# KiCad board MasterController.kicad_pcb (continued)
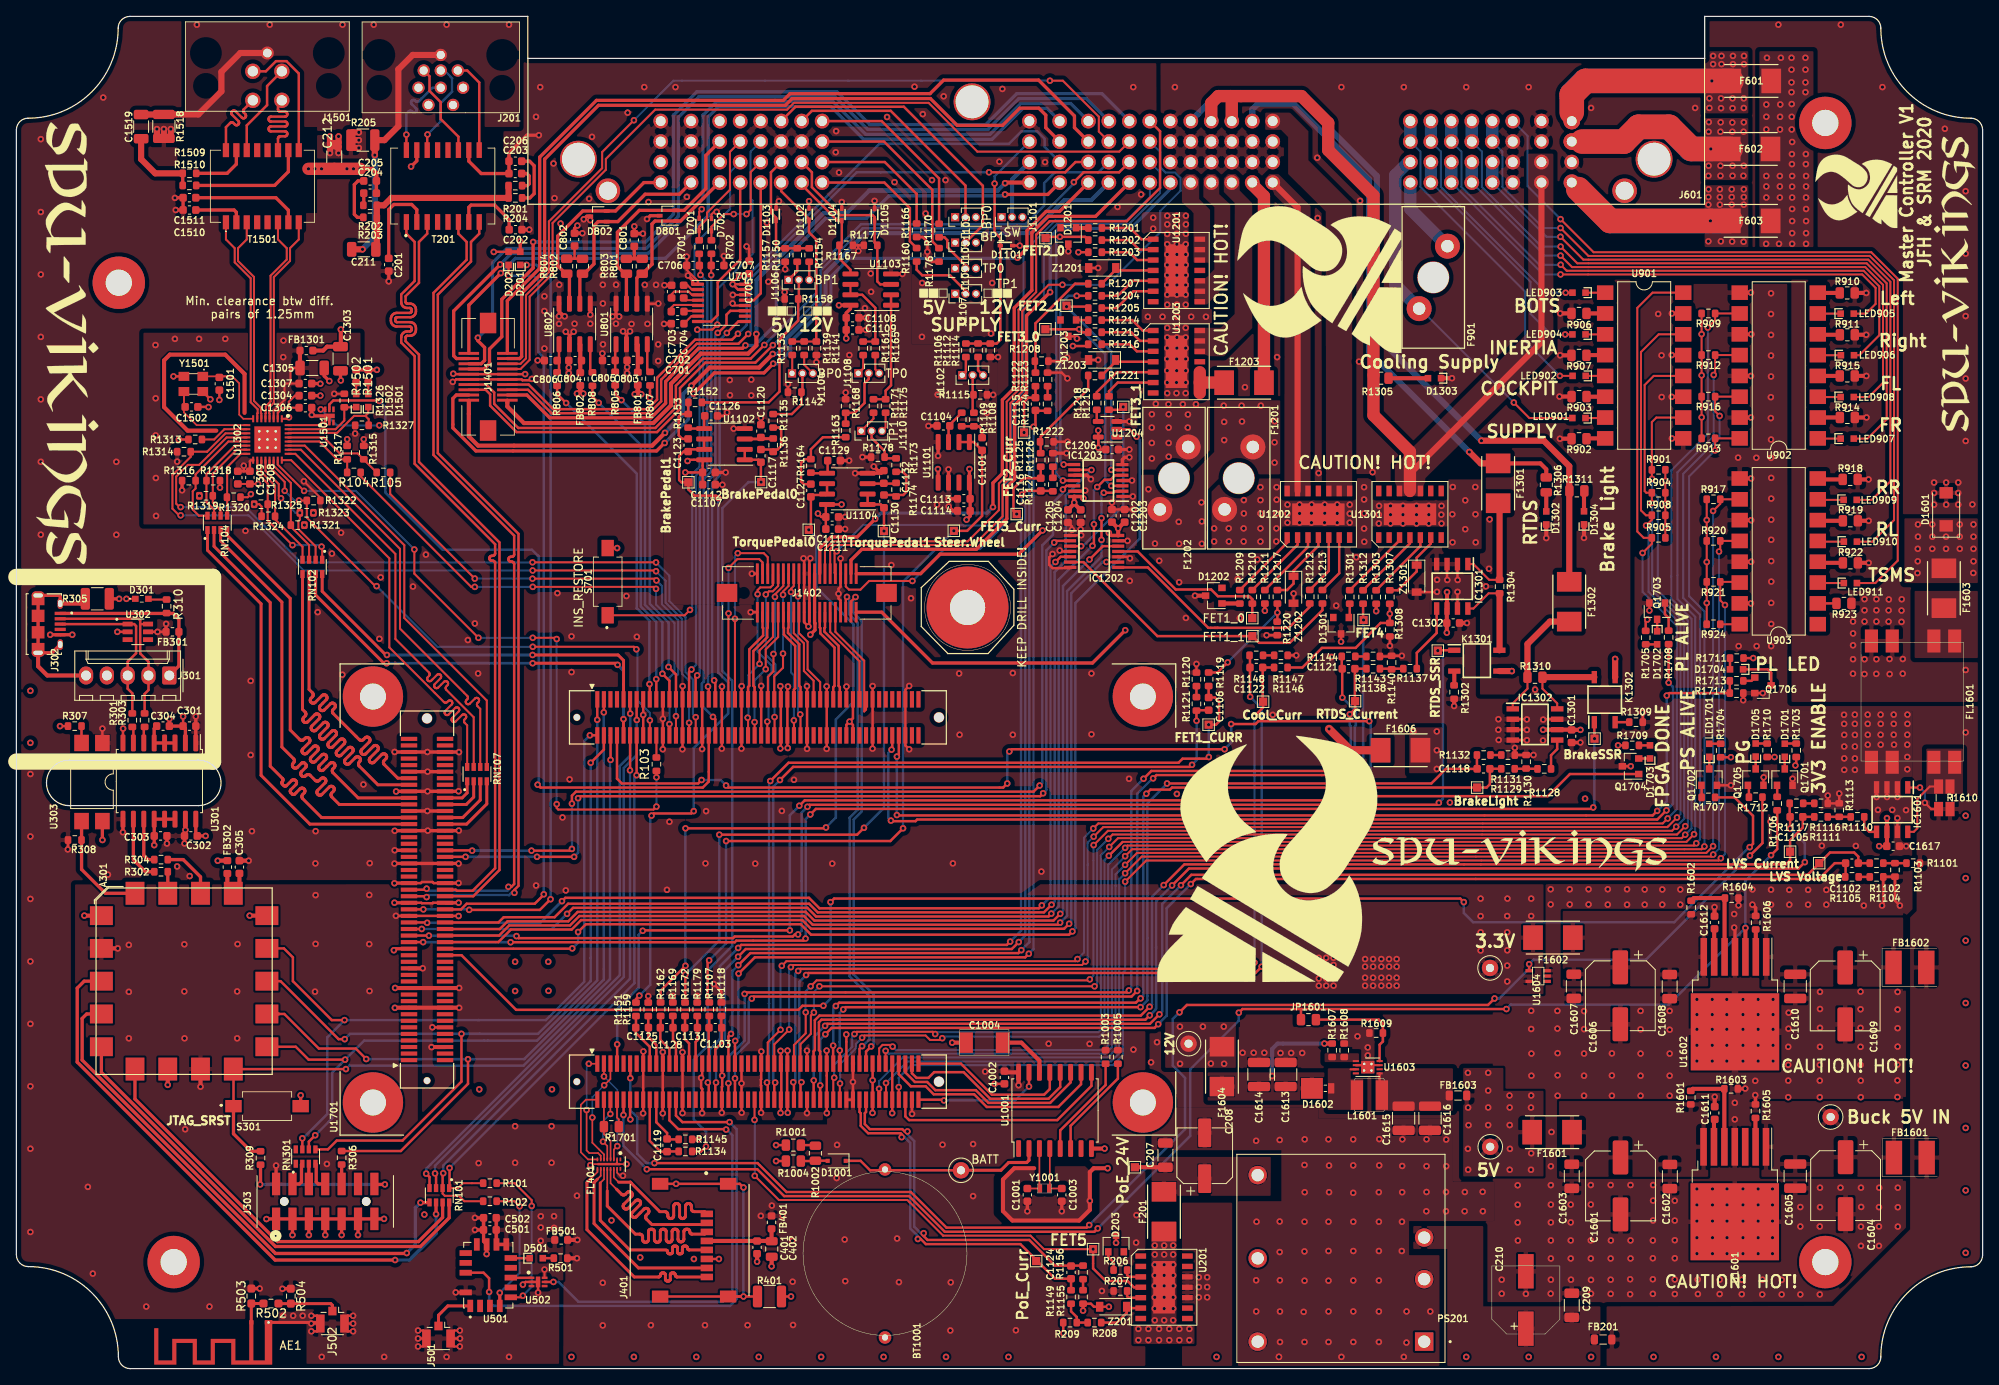
[diagram p0: board, top side]
## Routing (per net, layer and track width the routed paths; a pad name or vN(x,y) marks a point on that pad's centre or on a via; arc(x,y) is an arc through that point) (continued)
/PowerSupply/Boost_SW: length 0.7
  Top w0.25: U1603.3 162.85,36.53
/PowerSupply/PG_MODULE: length 188.6
  Top w0.3: v1(180.43,45.17) 179.64,44.38 142.88,44.38 v1(141.97,43.47) ; v1(74.94,35.44) 74.94,37.19 U1701.JX2.11 ; v1(130.95,17.52) 130.63,17.2 113.53,17.2 109.17,21.55 94,21.55 90.48,25.07 v1(77.88,25.07) ; v1(211.6,62.6) 213.12,64.12 R1712.2 ; U1604.4 v1(184.65,49.35)
  Bottom w0.3: v1(211.6,62.6) 198.9,49.9 185.2,49.9 v1(184.65,49.35) 184.65,48.8 181.01,45.17 v1(180.43,45.17) ; v1(77.88,25.07) 76.92,25.07 75.78,26.22 75.78,30.69 74.99,31.47 74.94,31.47 v1(74.94,35.44) ; v1(141.97,43.47) 141.15,42.65 141.15,36.97 142.65,35.47 142.65,29.22 v1(130.95,17.52)
/RTDS_V: length 8.3
  Top w0.3: R1137.2 170.94,87.33 173.36,89.76 IC1301.5
/SC_monitoring/~{SC_Mon_Right}: length 200.3
  Top w0.25: 112.79,40.1 v1(113.01,40.32) 112.79,40.1 ; 112.79,40.1 111.53,40.1 110.98,40.65 103.5,40.65 v1(103.23,40.37) ; v1(100.53,34.79) 100.51,34.77 U1701.JX2.76 100.5,32.81 ; v1(207.18,121.25) 207.35,121.43 R912.2 210.34,123.67 U902.12 ; v1(204.78,65.2) 203.85,64.28 135.04,64.28 v1(133.34,62.58) 135.03,64.27
  Bottom w0.25: v1(207.18,121.25) 207.18,113.8 202.75,109.38 202.75,93.9 204.93,91.72 204.93,65.35 v1(204.78,65.2) ; v1(103.23,40.37) 102.48,39.62 102.48,39.09 100.55,37.17 100.55,34.81 v1(100.53,34.79) ; v1(113.01,40.32) 113.19,40.5 132.18,40.5 132.81,41.14 132.81,62.05 v1(133.34,62.58)
/SC_monitoring/~{SC_Mon_RL}: length 168
  Top w0.25: v1(207.11,62.73) 206.86,62.47 137.36,62.47 v1(135.33,60.45) ; 210.35,101 210.34,101 R920.2 207.97,99.85 v1(207.82,99.7) ; U1701.JX2.90 106.15,32.85 v1(106.15,34.85)
  Bottom w0.25: v1(135.33,60.45) 134.61,59.73 134.61,59.08 134.62,59.07 134.62,38.49 133.6,37.48 108.78,37.48 v1(106.15,34.85) ; v1(207.11,62.73) 207.82,63.44 v1(207.82,99.7)
/SC_monitoring/~{SC_Mon_RR}: length 173.5
  Top w0.25: v1(135.33,61.47) 136.79,62.93 206.28,62.93 v1(207.1,63.75) ; 210.35,106.08 R917.2 207.97,105.53 v1(207.1,104.65) ; U1701.JX2.88 105.31,34.14 v1(105.3,34.15)
  Bottom w0.25: v1(207.1,104.65) v1(207.1,63.75) ; v1(105.3,34.15) 105.3,35.07 108.2,37.97 133.22,37.97 134.17,38.92 134.17,58.89 134.16,58.89 134.16,60.3 v1(135.33,61.47)
/SC_monitoring/~{SC_Mon_Supply}: length 189.1
  Top w0.25: v1(203.71,66.19) 202.7,65.18 133.81,65.18 v1(133.28,64.65) ; v1(98.03,46.65) v1(131.6,46.65) ; v1(97.34,43.46) 96.97,43.09 96.97,40.85 95.71,39.59 U1701.JX2.63 ; v1(199.65,108.58) 199.62,108.6 R901.2 199.62,115.5 200.18,116.05 203.46,116.05
  Bottom w0.25: v1(199.65,108.58) 199.65,107.03 200.35,106.32 200.35,94.95 204.02,91.28 204.02,66.5 v1(203.71,66.19) ; v1(131.6,46.65) 131.91,46.96 131.91,63.28 v1(133.28,64.65) ; v1(97.34,43.46) 97.34,45.97 v1(98.03,46.65)
/SC_monitoring/~{SC_Mon_TSMS}: length 163
  Top w0.25: v1(107.7,34.35) 107.71,34.34 U1701.JX2.94 ; 210.35,95.92 210.26,96 R921.2 207.97,93.75 v1(208.55,93.17) ; v1(208.05,62.28) 207.78,62 137.91,62 v1(135.34,59.42)
  Top w0.5: 210.09,95.98 210.11,96
  Bottom w0.25: v1(208.55,93.17) 208.55,62.78 v1(208.05,62.28) ; v1(107.7,34.35) 107.7,35.5 109.22,37.03 133.82,37.03 135.07,38.27 135.07,48.32 135.34,48.59 v1(135.34,59.42)
/Storage/CD_DATA3: length 7.6
  Top w0.2: FL401.4 72.53,27.81 71.71,28.62 R1701.1 71.71,29.53 U1701.JX2.4
/Storage/CLK: length 13.2
  Top w0.2: v1(70.3,30.64) 70.3,27.57 71.72,26.14 71.72,25.53 ; v1(71.75,34.57) 72.51,35.34 U1701.JX2.5
  Bottom w0.2: v1(70.3,30.64) 70.3,33.12 v1(71.75,34.57)
/Storage/CMD: length 7.9
  Top w0.2: v1(71.6,27.7) 72.12,27.18 FL401.5 ; U1701.JX2.6 72.5,32.81 v1(72.5,31.07)
  Bottom w0.2: v1(72.5,31.07) 71.6,30.18 v1(71.6,27.7)
/Storage/DATA0: length 14.2
  Top w0.2: FL401.7 71.33,25.97 71,26.3 69.92,26.3 69.6,26.62 v1(69.6,31.55) ; U1701.JX2.1 70.89,37.2 v1(69.88,37.2)
  Bottom w0.2: v1(69.88,37.2) 69.6,36.93 v1(69.6,31.55)
/Storage/DATA1: length 10.5
  Top w0.2: FL401.8 69.78,25.53 68.9,26.4 68.9,32.2 69.52,32.81 U1701.JX2.2
/Storage/DATA2: length 12.5
  Top w0.2: v1(73.35,27.15) 72.92,26.72 FL401.3 ; v1(71.72,35.65) 71.71,35.66 U1701.JX2.3
  Bottom w0.2: v1(71.72,35.65) 73.35,34.03 v1(73.35,27.15)
CHOKE_OUT: length 8.1
  Top w0.25: IC1601.8 231.6,65.5 232.02,65.92 232.02,69.5 233.55,71.03 R1610.4
LV: length 5.6
  Top w0.25: R1610.2 233.73,68.28 v1(232.95,69.05) ; v1(232.35,70.9) 230.89,70.9 IC1601.1
  Bottom w0.25: v1(232.35,70.9) 232.95,70.3 v1(232.95,69.05)
LV_Fused_10A:
  vias: v1(146.2,102.53) v1(146.2,100.93) v1(147.97,102.53) v1(148,100.92) v1(149.82,105.97) v1(149.82,104.35) v1(149.8,102.53) v1(149.8,100.92) v1(151.85,107.55) v1(151.85,105.97) v1(151.85,104.35) v1(151.85,102.53) v1(151.85,100.92) v1(153.82,107.55) v1(153.82,106.03) v1(153.8,104.33) v1(153.8,102.53) v1(153.78,100.93) v1(155.15,105.42) v1(155.15,104.33) v1(155.15,103.22) v1(156.62,105.42) v1(156.62,104.35) v1(156.62,103.22) v1(158.1,105.42) v1(158.07,104.38) v1(158.07,103.22) v1(159.7,105.42) v1(159.7,104.38) v1(159.68,103.22) v1(161.22,105.42) v1(161.22,104.35) v1(161.22,103.22) v1(162.75,105.42) v1(162.75,104.33) v1(162.75,103.22) v1(164.5,107.55) v1(164.5,106.05) v1(164.5,104.35) v1(164.5,102.5) v1(164.53,100.9) v1(166.32,105.28) v1(166.3,104.2) v1(166.3,103.12) v1(167.72,105.28) v1(167.72,104.2) v1(167.72,103.12) v1(169.25,105.28) v1(169.25,104.2) v1(169.25,103.12) v1(170.9,105.28) v1(170.9,104.2) v1(170.9,103.12) v1(172.4,105.28) v1(172.4,104.2) v1(172.4,103.12) v1(173.95,105.28) v1(173.93,104.2) v1(173.95,103.12) v1(175.32,107.58) v1(175.28,104.25) v1(175.3,100.83) v1(176.85,105.95) v1(176.85,102.42) v1(178.07,107.58) v1(178.1,104.25) v1(178.12,100.83)
LV_Fused_15A:
  vias: v1(138.1,128.35) v1(138.6,116.45) v1(138.59,114.83) v1(138.59,112.95) v1(138.6,111.05) v1(138.76,140.44) v1(138.76,139.1) v1(139.07,117.72) v1(139.9,128.35) v1(140.47,140.68) v1(140.47,139.62) v1(140.47,138.45) v1(140.47,137.2) v1(140.47,135.95) v1(140.47,134.68) v1(140.47,133.43) v1(140.47,132.22) v1(140.47,131.05) v1(140.47,129.82) v1(140.47,127) v1(140.47,125.83) v1(140.47,124.53) v1(140.47,123.2) v1(140.47,121.78) v1(140.47,120.33) v1(140.47,119.03) v1(140.62,117.67) v1(140.65,116.45) v1(140.65,114.83) v1(140.65,112.95) v1(140.65,111.28) v1(141.62,123.2) v1(141.62,121.78) v1(141.6,120.33) v1(141.6,119.03) v1(141.65,140.68) v1(141.65,139.62) v1(141.65,138.47) v1(141.65,137.2) v1(141.65,135.95) v1(141.65,134.68) v1(141.65,133.43) v1(141.65,132.22) v1(141.65,131.05) v1(141.65,129.82) v1(141.68,128.35) v1(141.65,127) v1(141.65,125.83) v1(141.65,124.53) v1(142.38,117.67) v1(142.72,137.2) v1(142.72,135.95) v1(142.72,134.68) v1(142.72,133.43) v1(142.72,132.22) v1(142.72,131.05) v1(142.72,129.82) v1(142.72,127) v1(142.72,125.83) v1(142.72,124.53) v1(142.72,123.2) v1(142.72,121.78) v1(142.72,120.33) v1(142.72,119.03) v1(142.75,140.68) v1(142.75,139.62) v1(142.75,138.47) v1(143,116.42) v1(142.98,114.83) v1(143.4,128.35) v1(143.97,117.67) v1(145.2,128.35)
LV_Unfiltered: length 3.7
  Top w0.75: v1(195.15,86.59) K1302.3 195.15,84.38 ; K1301.3 v1(182.53,85.11)
  vias: v1(138.18,107.3) v1(138.97,100.67) v1(141.88,103.33) v1(141.93,100.65) v1(144.65,105.7) v1(144.7,103.38) v1(144.7,100.65) v1(147.38,117.5) v1(147.43,115.53) v1(147.43,113.3) v1(149.55,117.5) v1(149.6,115.58) v1(151.9,117.5) v1(153.6,115.6) v1(153.57,113.03) v1(153.57,110.55) v1(213.6,154.25) v1(213.6,152.75) v1(213.6,151.2) v1(213.6,145.53) v1(213.6,144.25) v1(213.6,142.9) v1(213.57,137.25) v1(213.68,159.95) v1(215.25,145.53) v1(215.25,144.25) v1(215.25,142.9) v1(215.15,137.25) v1(215.3,154.25) v1(215.28,152.75) v1(215.28,151.2) v1(215.38,159.95) v1(216.68,159.95) v1(216.68,158.5) v1(216.68,156.95) v1(216.68,155.75) v1(216.7,154.3) v1(216.7,152.75) v1(216.7,151.2) v1(216.72,148.2) v1(216.72,146.97) v1(216.75,149.68) v1(216.75,145.53) v1(216.75,144.22) v1(216.75,142.9) v1(216.75,141.5) v1(216.75,140.03) v1(216.75,138.55) v1(216.75,137.25) v1(218.38,159.95) v1(218.38,158.5) v1(218.38,156.95) v1(218.38,155.75) v1(218.43,148.2) v1(218.43,146.97) v1(218.45,145.53) v1(218.45,144.25) v1(218.45,142.9) v1(218.45,141.5) v1(218.45,140.03) v1(218.45,138.55) v1(218.45,137.25) v1(232.11,103.01) v1(232.11,101.51) v1(232.08,100.03) v1(232.08,98.51) v1(232.05,97.08) v1(233.86,103.01) v1(233.86,101.51) v1(233.86,100.03) v1(235.54,101.51) v1(235.54,100.03) v1(237.21,103.01) v1(237.21,101.51) v1(237.21,100.03) v1(238.88,103.01) v1(238.88,101.51) v1(238.88,100.03) v1(238.88,98.51) v1(238.86,97.08)
Net-(A301-Pad15): length 5.4
  Top w0.5: FB302.1 25.75,58.72 A301.15 27.23,58.75 C305.1
Net-(C201-Pad2): length 11.4
  Top w0.4: T201.2 48.88,141.43 48.25,142.05 46.08,142.05 45.45,141.43 C201.2
Net-(C202-Pad2): length 8.8
  Top w0.4: T201.7 55.22,141.7 55.5,141.97 58.38,141.97 60.15,140.2 C202.2
Net-(C203-Pad2): length 3
  Top w0.4: 61.72,144.35 62.38,144.35 62.6,144.57 62.6,145.53 62.3,145.82 C203.2
Net-(C204-Pad2): length 1.5
  Top w0.4: C204.2 42.4,142 R202.1
Net-(C205-Pad2): length 6.2
  Top w0.4: R203.1 41.62,140.47 41.25,140.85 41.25,144.47 41.7,144.93 C205.2
Net-(C206-Pad2): length 6.8
  Top w0.4: 61.72,142.85 62.67,142.85 63.2,143.38 63.2,146.77 62.65,147.32 C206.2
Net-(C211-Pad1): length 28.8
  Top w0.4: R202.2 R203.2 ; 43.97,136.68 C211.1
  Top w0.5: R203.2 44,136.7
  Top w0.75: C211.1 44,136.7 R202.2 44.88,141.95 45.78,142.85 R204.2 R201.2
Net-(C304-Pad1): length 4.7
  Top w0.4: C304.1 16.82,78.09 U301.5 U301.3
Net-(C401-Pad1): length 9.5
  Top w0.25: 92.17,15.57 C402.1
  Top w0.3: 84.28,15.57 84.28,15.58
  Top w0.5: C402.1 92.16,15.58 84.28,15.58 ; FB401.2 92.17,15.57
Net-(C701-Pad1): length 2.1
  Top w0.25: C701.1 82.4,128.42 U701.7
Net-(C702-Pad1): length 1.7
  Top w0.25: C702.1 81.57,129.07 U701.6
Net-(C702-Pad2): length 3.9
  Top w0.25: U701.5 83.13,129.79 80.26,129.79 79.94,129.46 79.94,128.99
Net-(C703-Pad1): length 4
  Top w0.25: C703.1 79.97,131.09 80.3,131.41 82.06,131.41 82.46,131.02 U701.3
Net-(C704-Pad1): length 1.9
  Top w0.25: C704.1 81.72,130.37 U701.4
Net-(C704-Pad2): length 2
  Top w0.25: C704.2 81.93,132.19 82.45,131.67 U701.2
Net-(C801-Pad1): length 5.4
  Top w0.3: 75.42,135.56 75.56,135.42 ; 75.56,135.42 76.39,135.42 ; 75.56,135.42 R803.2
  Top w0.4: R803.2 76.39,135.42 R801.2 ; C801.1 75.42,135.56
Net-(C802-Pad1): length 3.5
  Top w0.3: R802.2 69.09,135.43 68.22,135.43 ; 68.22,135.43 68.13,135.51 C802.1 ; 68.22,135.43 R804.2
Net-(C803-Pad1): length 3.5
  Top w0.5: FB801.2 75.85,124.88 U801.3
Net-(C804-Pad1): length 3.5
  Top w0.5: U802.3 68.83,124.94 FB802.2
Net-(C805-Pad2): length 3.4
  Top w0.3: U801.1 73.09,124.89 R805.2
Net-(C806-Pad2): length 4
  Top w0.3: R806.2 66.23,121.81 66.23,123.37 ; C806.2 66.23,123.23 66.23,123.37 ; U802.1 66.23,123.37
Net-(C1001-Pad1): length 6.6
  Top w0.2: 124.97,26.75 U1001.3 124.87,22.06 Y1001.1 C1001.1
Net-(C1003-Pad2): length 6.6
  Top w0.2: 126.07,26.78 U1001.4 126.14,22.06 Y1001.2 C1003.2
Net-(C1004-Pad1): length 6.8
  Top w0.5: 124.85,36.17 U1001.14 124.87,37.58 122.68,39.78 C1004.1
Net-(C1101-Pad1): length 97.3
  Top w0.3: U1101.2 116.86,113.06 C1101.1 117.88,104.05 116.05,102.22 v1(114.43,102.22) ; v1(108.22,65.92) 106.68,64.38 v1(86.63,64.38) ; 84.58,44.68 84.38,44.88 84.38,49.64 v1(84.56,49.82)
  Bottom w0.3: v1(114.43,102.22) 108.22,96.03 v1(108.22,65.92) ; v1(84.56,49.82) 86.63,51.89 v1(86.63,64.38)
Net-(C1101-Pad2): length 3.6
  Top w0.3: C1101.2 117.88,114.56 117.46,114.98 R1108.1 R1109.2
Net-(C1104-Pad1): length 4.2
  Top w0.3: R1109.1 113.78,115.03 U1101.3
Net-(C1117-Pad1): length 94.7
  Top w0.3: U1102.2 U1102.1 90.58,110.89 C1117.1 90.88,108.2 v1(90.9,108.17) ; R1134.2 83.58,26.5 v1(84.17,27.1)
  Bottom w0.3: v1(84.17,27.1) 84.17,28.93 82.67,30.43 82.67,37.68 84.38,39.38 84.38,48.57 87.38,51.58 87.38,83.93 86.17,85.13 86.17,105 89.35,108.17 v1(90.9,108.17)
Net-(C1117-Pad2): length 6
  Top w0.3: R1136.2 92.38,112.15 ; 92.38,112.15 92.92,112.15 93.35,112.58 93.35,114.55 93.08,114.83 R1135.1 ; 92.38,112.15 C1117.2
Net-(C1120-Pad1): length 7.1
  Top w0.3: U1102.3 90.69,113.44 C1120.1 91,113.5 R1136.1 92.31,113.44 U1102.3
Net-(C1123-Pad1): length 83.2
  Top w0.3: TP1112.1 82,108.17 ; TP1112.1 81.17,108.15 80.9,108.42 80.9,111.35 81.45,111.9 C1123.1 82.27,112.17 U1102.7 U1102.6 ; TP1112.1 82.03,107.28 82.78,106.53 85.37,106.53 v1(85.67,106.22) ; v1(82.67,68.03) 82.39,67.74 77.79,67.74 v1(77.53,67.47) ; v1(76.04,45.51) 75.62,45.09 R1151.2
  Bottom w0.3: v1(76.04,45.51) 77.38,46.84 77.38,67.33 v1(77.53,67.47) ; v1(85.67,106.22) 85.67,84.93 86.88,83.72 86.88,79.9 82.67,75.7 v1(82.67,68.03)
Net-(C1123-Pad2): length 6.3
  Top w0.3: C1123.2 81.28,113.45 80.85,113.88 80.85,116.15 81.17,116.47 R1153.2 82,117.88 R1152.1
Net-(C1126-Pad1): length 3.6
  Top w0.3: C1126.1 83.95,116.18 U1102.5 82.12,114.7 R1153.1
Net-(C1127-Pad1): length 86.8
  Top w0.3: v1(98.82,66.03) 98.72,65.92 v1(81.67,65.92) ; v1(81.67,49.15) 78.64,46.12 R1162.2 ; U1104.6 98.95,106.72 98.83,106.6 97.2,106.6 C1127.1 96.97,102.61
  Bottom w0.3: v1(96.72,102.35) 97.66,101.41 97.66,95.32 102.18,90.81 102.18,81.35 100.03,79.2 100.03,67.23 v1(98.82,66.03) ; v1(81.67,65.92) 81.67,65.92 v1(81.67,49.15)
Net-(C1127-Pad2): length 11.1
  Top w0.3: R1163.1 98.45,113.65 96.97,112.17 R1164.2 96.22,110.97 95.78,110.53 95.78,108.25 96.1,107.92 96.97,107.92
Net-(C1129-Pad1): length 3.6
  Top w0.3: C1129.1 99.03,109.33 U1104.5 97.05,109.25 R1164.1
Net-(C1130-Pad1): length 83.8
  Top w0.3: 103.9,106.72 U1104.1 105.5,105.44 C1130.1 v1(105.9,102.2) ; 105.88,104.85 105.9,104.83 ; v1(85.8,65.15) 102.62,65.15 v1(103.46,65.99) ; R1172.2 81.65,44.71 v1(81.65,48.07)
  Bottom w0.3: v1(103.46,65.99) 105.9,68.42 105.9,102.19 v1(105.9,102.2) ; v1(81.65,48.07) 85.8,52.23 v1(85.8,65.15)
Net-(C1130-Pad2): length 6.5
  Top w0.3: R1173.1 108.2,109.42 108.62,109 108.62,106.97 108.25,106.6 107.4,106.6 ; C1130.2 107.4,106.6 ; 107.4,106.6 107.38,106.58 R1174.2
Net-(C1132-Pad1): length 3.5
  Top w0.3: R1174.1 107.28,107.98 U1104.3
Net-(C1304-Pad2): length 5.9
  Top w0.25: U1302.2 31.9,116.62 32.52,117.25 33.25,117.25 ; 33.25,117.25 33.25,117.97 34,118.72 C1304.2 ; 33.25,117.25 C1306.2
Net-(C1510-Pad1): length 6.3
  Top w0.4: T1501.2 26.85,141.1 26.58,141.38 C1510.1
Net-(C1511-Pad1): length 13.4
  Top w0.4: T1501.7 33.2,141.35 31.67,142.88 C1511.1
Net-(C1519-Pad1): length 9.8
  Top w0.4: R1509.2 R1510.2
  Top w0.75: R1509.2 16.95,145.85 15.23,147.57 15.23,150.07
Net-(C1611-Pad1): length 3.4
  Top w0.5: C1611.1 207.21,30.32 U1601.6
Net-(C1612-Pad1): length 3.4
  Top w0.5: C1612.1 207.24,53.62 U1602.6
Net-(D203-Pad1): length 2.5
  Top w0.3: R206.2 133.93,12.97 133.28,13.62 D203.1
Net-(D301-Pad2): length 2.3
  Top w0.25: D301.2 16.2,93.84 R310.2
Net-(D501-Pad1): length 2.3
  Top w0.3: D501.1 60.37,13.48 U501.9
Net-(D501-Pad2): length 1.4
  Top w0.3: D501.2 R501.2
Net-(D1001-Pad2): length 3.4
  Top w0.3: D1001.2 99.01,25.37 R1002.1 ; R1002.1 97.49,25.32 R1004.2 ; R1002.1 97.48,25.32 ; 97.49,25.4 97.5,25.41
Net-(D1201-Pad1): length 1.5
  Top w0.5: D1201.1 129.38,139.18 R1201.2
Net-(D1202-Pad1): length 2.2
  Top w0.5: R1209.2 149.31,93.36 D1202.1
Net-(D1203-Pad1): length 1.5
  Top w0.3: R1214.2 129.37,127.94 D1203.1
Net-(D1301-Pad1): length 1.7
  Top w0.3: R1301.2 162.75,91.76 D1301.1
Net-(D1302-Pad2): length 2.3
  Top w0.5: D1302.2 186.74,106.92
Net-(D1303-Pad2): length 4.8
  Top w0.5: R1305.2 D1303.2
Net-(D1304-Pad2): length 2.6
  Top w0.5: 191.4,104.66 D1304.2 191.34,107.06 R1311.2
Net-(D1501-Pad2): length 1.4
  Top w0.25: R1502.1 D1501.2
Net-(D1502-Pad2): length 1.4
  Top w0.25: D1502.2 41.47,120.32
Net-(D1701-Pad1): length 1.5
  Top w0.3: D1701.1 Q1701.3
Net-(D1701-Pad2): length 1.4
  Top w0.3: 215.88,76.27 D1701.2 215.88,76.28 R1703.2
Net-(D1702-Pad1): length 1.4
  Top w0.3: D1702.1 Q1703.3
Net-(D1702-Pad2): length 1.4
  Top w0.3: R1705.2 D1702.2
Net-(D1703-Pad1): length 1.4
  Top w0.3: D1703.1 Q1704.2
Net-(D1703-Pad2): length 1.3
  Top w0.3: R1709.2 D1703.2
Net-(D1704-Pad1): length 5.1
  Top w0.3: Q1706.3 214.19,84.9 213.77,85.32 D1704.1
Net-(D1704-Pad2): length 1.4
  Top w0.3: 209.16,86.7 R1711.2 D1704.2
Net-(D1705-Pad1): length 1.5
  Top w0.3: D1705.1 Q1705.3
Net-(D1705-Pad2): length 1.4
  Top w0.3: D1705.2 R1710.2
Net-(F601-Pad2): length 48.1
  Top w2: 189.85,153.3 J601.1-H1 189.85,153.43
  Top w3: 189.85,153.3 189.85,155.43 191.55,157.12 F601.2
  Bottom w2: 189.85,153.47 J601.1-H1 189.85,152.47
  Bottom w3: 209.12,157.12 v1(206.95,157.12) 191.47,157.12 189.85,155.5 189.85,153.47
  vias: v1(206.65,155) v1(206.65,153.82) v1(207.1,160.18) v1(207.1,159.18) v1(208.12,160.18) v1(208.12,159.18) v1(208.07,155) v1(208.07,153.8) v1(209.53,160.18) v1(209.53,159.18) v1(209.47,155) v1(209.47,153.8) v1(210.85,155) v1(210.85,153.82) v1(210.88,160.18) v1(210.88,159.18)
Net-(F602-Pad2): length 43.5
  Top w2: 191.12,149.72 J601.1-H2 191.05,149.72
  Top w3: F602.2 204.45,148.82 201.75,151.53 198,151.53 196.2,149.72 191.12,149.72
  Bottom w2: J601.1-H2 191.45,149.72
  Bottom w3: 209.07,148.82 v1(206.82,148.82) 204.35,148.82 201.65,151.53 198,151.53 196.2,149.72 191.45,149.72
  vias: v1(206.53,145.55) v1(206.57,152.1) v1(206.55,150.93) v1(206.55,146.78) v1(208.03,152.07) v1(208,150.93) v1(208,146.78) v1(208,145.55) v1(209.45,152.05) v1(209.45,150.93) v1(209.47,146.78) v1(209.47,145.55) v1(210.85,152.07) v1(210.82,150.93) v1(210.85,146.78) v1(210.8,145.55)
Net-(F603-Pad2): length 48.1
  Top w2: J601.1-H4 194.53,140.05
  Top w3: F603.2 v1(206.78,140.05) 194.53,140.05 190.65,143.93
  Bottom w2: J601.1-H4 190.65,143.93
  Bottom w3: 209.2,140.03 194.55,140.03 190.65,143.93
  vias: v1(206.53,142.95) v1(206.53,142.03) v1(206.53,137.55) v1(206.55,143.9) v1(207.93,143.9) v1(207.93,142.95) v1(207.93,142.03) v1(208.05,137.55) v1(209.38,143.9) v1(209.38,142.95) v1(209.38,142.03) v1(209.43,137.53) v1(210.85,143.9) v1(210.85,142.95) v1(210.85,142.03) v1(210.82,137.5)
Net-(F1203-Pad1): length 5.5
  Top w1.5: F1203.1 147.4,120.32 U1203.9 ; U1203.8 144.44,121.58
Net-(F1301-Pad2): length 14.1
  Top w0.25: R1304.2 179.77,96.25 177.85,98.17 IC1301.1
  Top w0.75: F1301.2 181.04,105.42 R1304.2
Net-(F1302-Pad2): length 14.9
  Top w0.25: IC1302.1 182.65,81.17 184.45,82.97 R1310.2
  Top w0.75: R1310.2 184.45,88.42 187.18,91.15 F1302.2
Net-(FL401-Pad9): length 27.1
  Top w0.2: FL401.9 70.92,23.99 70.1,23.17
  Top w0.36: 70.1,23.17 69.64,22.71 69.64,16.96 75.42,11.18 78.37,11.18 78.43,11.19 78.48,11.2 78.53,11.23 78.57,11.27 78.6,11.32 78.61,11.37 78.63,11.49 78.64,11.54 78.67,11.59 78.71,11.63 78.76,11.66 78.81,11.67 78.87,11.68 78.97,11.68 79.03,11.67 79.08,11.66 79.13,11.63 79.17,11.59 79.2,11.54 79.21,11.49 79.22,11.43 79.22,10.93 79.23,10.87 79.24,10.82 79.27,10.77 79.31,10.73 79.36,10.7 79.41,10.69 79.47,10.68 79.57,10.68 79.63,10.69 79.68,10.7 79.73,10.73 79.77,10.77 79.8,10.82 79.81,10.87 79.82,10.93 79.82,11.43 79.83,11.49 79.84,11.54 79.87,11.59 79.91,11.63 79.96,11.66 80.01,11.67 80.07,11.68 80.17,11.68 80.23,11.67 80.28,11.66 80.33,11.63 80.37,11.59 80.4,11.54 80.41,11.49 80.43,11.37 80.44,11.32 80.47,11.27 80.51,11.23 80.56,11.2 80.61,11.19 80.67,11.18 84.28,11.18
Net-(FL401-Pad10): length 23
  Top w0.2: 70.91,23.12 71.33,23.53 FL401.10
  Top w0.36: 84.28,12.28 75.93,12.28 70.51,17.7 70.51,22.71 70.91,23.12
Net-(FL401-Pad11): length 23.8
  Top w0.2: 71.27,22.66 71.72,23.11 71.72,24.38 ; 79.25,14.48 79.31,14.47 79.36,14.46
  Top w0.36: 79.36,14.46 79.4,14.43 79.44,14.39 79.47,14.35 79.48,14.3 79.5,14.19 79.51,14.14 79.54,14.09 79.58,14.06 79.62,14.03 79.67,14.01 79.73,14 79.85,14 79.91,14.01 79.96,14.03 80,14.06 80.04,14.09 80.07,14.14 80.08,14.19 80.09,14.24 80.09,14.72 80.1,14.77 80.11,14.82 80.14,14.87 80.18,14.9 80.22,14.93 80.27,14.95 80.33,14.96 80.45,14.96 80.51,14.95 80.56,14.93 80.6,14.9 80.64,14.87 80.67,14.82 80.68,14.77 80.69,14.72 80.69,14.24 80.7,14.19 80.71,14.14 80.74,14.09 80.78,14.06 80.82,14.03 80.87,14.01 80.93,14 81.05,14 81.11,14.01 81.16,14.03 81.2,14.06 81.24,14.09 81.27,14.14 81.28,14.19 81.29,14.24 81.29,14.48 81.3,14.48 81.3,14.72 81.31,14.77 81.33,14.82 81.35,14.87 81.39,14.9 81.44,14.93 81.49,14.95 81.54,14.96 81.66,14.96 81.72,14.95 81.77,14.93 81.81,14.9 81.85,14.87 81.88,14.82 81.9,14.77 81.91,14.66 81.93,14.61 81.95,14.57 81.99,14.53 82.04,14.5 82.09,14.49 82.14,14.48 84.28,14.48 ; 79.25,14.48 74.87,14.48 71.27,18.08 71.27,22.66
Net-(FL401-Pad12): length 28.3
  Top w0.2: FL401.12 72.12,21.69
  Top w0.36: 72.12,21.69 72.12,19.84 75.56,16.41 76.08,16.41 76.16,16.4 76.23,16.37 76.3,16.33 76.36,16.27 76.4,16.21 76.43,16.13 76.44,16.05 76.44,15.77 76.45,15.69 76.47,15.61 76.51,15.55 76.57,15.49 76.64,15.45 76.72,15.42 76.8,15.41 76.88,15.42 76.95,15.45 77.02,15.49 77.08,15.55 77.12,15.61 77.15,15.69 77.16,15.77 77.16,16.71 77.16,16.78 77.19,16.84 77.22,16.9 77.27,16.94 77.33,16.98 77.39,17 77.46,17.01 77.58,17.01 77.64,17 77.71,16.98 77.76,16.94 77.81,16.9 77.85,16.84 77.87,16.78 77.88,16.71 77.88,15.77 77.89,15.69 77.91,15.61 77.95,15.55 78.01,15.49 78.08,15.45 78.16,15.42 78.24,15.41 78.32,15.42 78.39,15.45 78.46,15.49 78.52,15.55 78.56,15.61 78.59,15.69 78.6,15.77 78.6,16.71 78.6,16.78 78.63,16.84 78.66,16.9 78.71,16.94 78.77,16.98 78.83,17 78.9,17.01 79.02,17.01 79.08,17 79.15,16.98 79.2,16.94 79.25,16.9 79.29,16.84 79.31,16.78 79.32,16.71 79.32,15.77 79.33,15.69 79.35,15.61 79.39,15.55 79.45,15.49 79.52,15.45 79.6,15.42 79.68,15.41 79.76,15.42 79.83,15.45 79.9,15.49 79.96,15.55 80,15.61 80.03,15.69 80.04,15.77 80.04,16.71 80.04,16.78 80.07,16.84 80.1,16.9 80.15,16.94 80.21,16.98 80.27,17 80.34,17.01 80.46,17.01 80.52,17 80.59,16.98 80.64,16.94 80.69,16.9 80.73,16.84 80.75,16.78 80.76,16.71 80.76,15.82 80.77,15.74 80.79,15.66 80.83,15.6 80.89,15.54 80.96,15.5 81.04,15.47 81.12,15.46 81.2,15.47 81.27,15.5 81.34,15.54 81.4,15.6 81.44,15.66 81.47,15.74 81.48,15.82 81.48,16.71 81.48,16.78 81.51,16.84 81.54,16.9 81.59,16.94 81.65,16.98 81.71,17 81.78,17.01 81.9,17.01 81.96,17 82.03,16.98 82.08,16.94 82.13,16.9 82.17,16.84 82.19,16.78 82.2,16.64 82.23,16.58 82.26,16.52 82.31,16.48 82.37,16.44 82.43,16.42 82.5,16.41 84.01,16.41 84.28,16.68
Net-(FL401-Pad13): length 23.8
  Top w0.2: FL401.13 72.53,22.62 73.25,21.9 ; 77.62,17.58 77.57,17.58
  Top w0.36: 77.62,17.58 84.07,17.58 84.28,17.78 ; 73.25,21.9 73.85,21.29 73.92,21.24 73.99,21.21 74.07,21.19 74.15,21.19 74.23,21.21 74.3,21.24 74.36,21.29 74.56,21.49 74.62,21.54 74.7,21.58 74.78,21.59 74.86,21.59 74.93,21.58 75.01,21.54 75.07,21.49 75.12,21.43 75.16,21.36 75.17,21.28 75.17,21.2 75.16,21.12 75.12,21.05 75.07,20.98 74.16,20.08 74.11,20.01 74.08,19.94 74.06,19.86 74.06,19.78 74.08,19.7 74.11,19.63 74.16,19.57 74.23,19.52 74.3,19.48 74.38,19.46 74.46,19.46 74.54,19.48 74.61,19.52 74.67,19.57 75.58,20.47 75.64,20.52 75.71,20.56 75.79,20.58 75.87,20.58 75.95,20.56 76.03,20.52 76.09,20.47 76.14,20.41 76.17,20.34 76.19,20.26 76.19,20.18 76.17,20.1 76.14,20.03 76.09,19.96 75.18,19.06 75.13,19 75.1,18.92 75.08,18.84 75.08,18.76 75.1,18.69 75.13,18.61 75.18,18.55 75.25,18.5 75.32,18.46 75.4,18.45 75.48,18.45 75.56,18.46 75.63,18.5 75.69,18.55 76.6,19.46 76.66,19.51 76.73,19.54 76.81,19.56 76.89,19.56 76.97,19.54 77.04,19.51 77.11,19.46 77.16,19.39 77.19,19.32 77.21,19.24 77.21,19.16 77.19,19.08 77.16,19.01 77.11,18.95 76.91,18.75 76.86,18.68 76.82,18.61 76.81,18.53 76.81,18.45 76.82,18.37 76.86,18.3 76.91,18.24 77.57,17.58
Net-(FL401-Pad14): length 20.3
  Top w0.2: 73.52,22.75 72.92,23.34 FL401.14
  Top w0.36: 75.08,22.61 78.53,19.15 79.15,19.15 79.23,19.14 79.31,19.12 79.37,19.07 79.43,19.02 79.47,18.95 79.5,18.87 79.51,18.79 79.51,18.66 79.52,18.58 79.55,18.51 79.59,18.44 79.65,18.38 79.71,18.34 79.79,18.31 79.87,18.3 79.95,18.31 80.03,18.34 80.09,18.38 80.15,18.44 80.19,18.51 80.22,18.58 80.23,18.66 80.23,19.79 80.24,19.87 80.27,19.95 80.31,20.02 80.37,20.07 80.43,20.12 80.51,20.14 80.59,20.15 80.67,20.14 80.75,20.12 80.81,20.07 80.87,20.02 80.91,19.95 80.94,19.87 80.95,19.79 80.95,18.66 80.96,18.58 80.99,18.51 81.03,18.44 81.09,18.38 81.15,18.34 81.23,18.31 81.31,18.3 81.39,18.31 81.47,18.34 81.53,18.38 81.59,18.44 81.63,18.51 81.66,18.58 81.67,18.66 81.67,19.79 81.68,19.87 81.71,19.95 81.75,20.02 81.81,20.07 81.87,20.12 81.95,20.14 82.03,20.15 82.11,20.14 82.19,20.12 82.25,20.07 82.31,20.02 82.35,19.95 82.38,19.87 82.39,19.79 82.39,19.51 82.4,19.43 82.43,19.36 82.47,19.29 82.53,19.23 82.59,19.19 82.67,19.16 82.75,19.15 84,19.15 84.28,18.88 ; 75.08,22.61 74.94,22.75 73.52,22.75 ; 75.08,22.61 74.93,22.76
Net-(IC1301-Pad8): length 11.6
  Top w0.25: IC1301.8 177.85,92.75 179.7,94.6 R1304.1
  Top w0.75: R1304.1 181.04,87.68 K1301.4
Net-(IC1302-Pad8): length 10.9
  Top w0.25: R1310.1 186.27,82.97 188.07,81.17 IC1302.8
  Top w0.75: R1310.1 186.29,84.38 K1302.4
Net-(J303-Pad4): length 3.5
  Top w0.4: RN301.2 34.8,24.9 34.8,22.77 34.55,22.53 J303.4
Net-(J303-Pad6): length 2.5
  Top w0.4: RN301.3 J303.6
Net-(J303-Pad8): length 3.5
  Top w0.4: RN301.4 36.6,24.9 36.6,22.77 36.84,22.53 J303.8
Net-(J303-Pad10): length 2.4
  Top w0.4: R306.1 J303.10
Net-(J303-Pad14): length 18.9
  Top w0.4: J303.14 43.75,22.47 v1(44.97,22.47) ; v1(29.75,22.47) 29.8,22.53 R309.2
  Bottom w0.4: v1(29.75,22.47) v1(44.97,22.47)
Net-(J501-Pad1): length 5.7
  Top w0.37: U501.1 52.66,7.65 51.53,6.51 J501.1
